# Altium PCB STM32F103RCT6 Dev B'd Rev 2.0.PcbDoc (part 2 of 2)
Units mm, origin at the board's own origin, x right, y up, seen from the top; angles counter-clockwise.
Board outline 120 x 80 mm, 4 copper layers (Top Copper, Signal Layer 1, Signal Layer 2, Bottom Copper), stack 1.57 mm thick; 133 components, 125 nets, 536 pads, 517 vias.
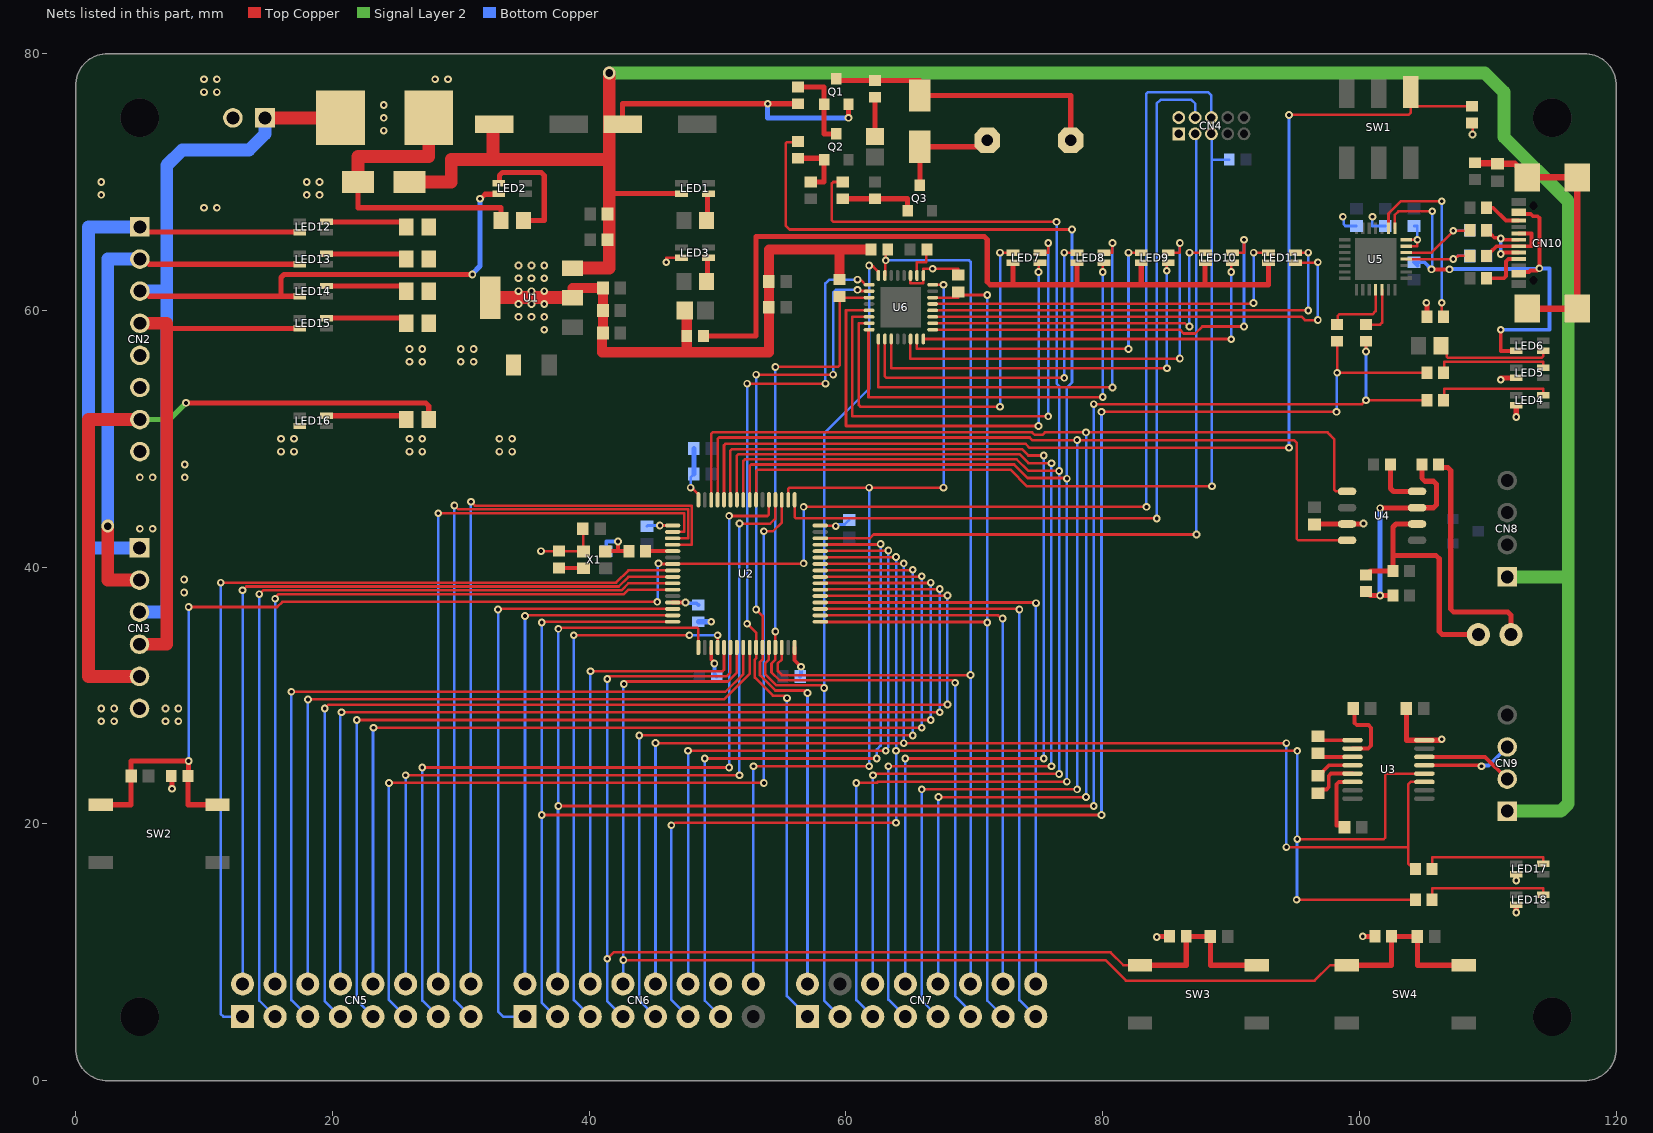
[diagram p4: the nets of this part, all layers, seen from the top]

## Via types
v1: diameter 0.6, hole 0.3, Top Copper to Bottom Copper, tented both sides, 497 vias
v2: diameter 0.5, hole 0.2, Top Copper to Bottom Copper, 18 vias
v3: diameter 1, hole 0.6, Top Copper to Bottom Copper, tented both sides, 2 vias

## Nets (pads, with @x,y where several pads share a name; then routed paths per layer and width w, separated by ;. In a path a pad name is that pad's centre, name@x,y a point inside that pad or via, vN(x,y) a via of type N, cw(c..) or ccw(c..) an arc to the next point about the centre after c; other vN are vias at no path point) (continued)
DP3.3VS: C3.2 C4.2 C6.2 C7.2 C8.2 C9.2 C10.2 C11.2 C12.2 C19.2 C22.2 C24.1 C27.2 C28.2 C30.1 C31.2 C32.2 C33.2 CN4.1 CN4.2 CN6.14 LED3.4 LED4.4 LED5.4 LED17.4 LED18.4 R6.2 R7.2 R8.2 R9.2 R14.2 R15.2 R24.1 R35.1 R37.1 R38.1 R39.1 U1.2 U1.4 U2.1 U2.19 U2.32 U2.48 U2.64 U3.16 U4.3 U5.6 U5.7 U6.25 U6.27 X1.4 | length 101.5
  Top Copper w0.2: v1(36.25,41.25) R6.2@37.653,41.25 39.525,41.25 X1.4@39.55,41.225 39.55,42.95 C12.2@39.5,43 ; v1(45.5,43.25) U2.1@46.5,43.25 ; v1(46,63.75) 46,64.1 LED3.4@47.2,64.1 ; v1(47.9,46.2) 47.973,46.2 48.5,45.673 U2.64@48.5,45.25 ; U2.48@58,43.25 58.019,43.231 59.169,43.231 v1(59.2,43.2) ; U6.27@65.025,62.725 65,62.725 65,62.1 66,62.1 66,62.725 U6.25@66.025,62.725 66.025,63.25 v1(66.75,63.25) 68.75,63.25 R37.1@68.75,62.75 ; U5.6@103.65,65 104.5,65 v1(104.5,65.5) U5.7@103.65,65.5 ; R9.2@108.75,74.6 108.8,74.6 v1(108.8,73.7)
  Top Copper w0.3: U2.19@49.5,33.75 49.5,32.814 49.75,32.564 v1(49.75,32.5) ; U2.32@56,33.75 56,32.75 v1(56.5,32.25) ; C22.2@96.5,43.325 C22.2@96.5,43.365
  Top Copper w0.4: R7.2@7.45,23.75 7.5,23.75 v1(7.5,22.75) ; v1(84.2,11.2) 84.225,11.225 85.175,11.225 R14.2@85.2,11.25 ; C22.2@96.5,43.365 U4.3@99.025,43.365 100.3,43.365 v1(100.3,43.4) ; v1(100.248,11.25) R15.2@101.2,11.25 ; C19.2@103.65,29 103.65,26.525 U3.16@105.05,26.525 106.4,26.525 v1(106.4,26.6) ; v1(105.2,60.6) 105.25,60.6 R24.1@105.25,59.5 ; v1(111,54.6) 111,54.75 LED5.4@112.2,54.75 ; v1(112.2,13.1) LED18.4@112.2,13.7 ; v1(112.2,15.6) LED17.4@112.2,16.1 ; v1(112.2,51.7) LED4.4@112.2,52.6
  Top Copper w0.8: U1.2@38.7,61 38.7,61.75 38.75,61.75 C3.2@41.075,61.75 C4.2@41.075,60 C31.2@41.075,58.25 41,58.25 41,56.75 47.6,56.75 ; C30.1@47.45,60 47.6,60 R35.1@47.6,58 47.6,56.75 ; 47.75,56.75 47.6,56.75 ; R38.1@59.5,62.4 59.5,64.75 ; R39.1@61.95,64.75 59.5,64.75 ; 47.6,56.75 54,56.75 C32.2@54,60.25 C33.2@54,62.25 54,64.75 59.5,64.75
  Top Copper w1: U1.4@32.3,61 U1.2@38.7,61
  Bottom Copper w0.2: C8.2@44.5,43.175 44.575,43.25 v1(45.5,43.25) ; v1(47.9,46.2) 47.9,47 C7.2@48.15,47.25 ; v1(59.2,43.2) 59.308,43.2 59.433,43.325 59.9,43.325 C11.2@60.25,43.675 ; v1(98.7,67.3) 98.775,67.225 98.775,66.7 98.9,66.575 C28.2@99.75,66.575 ; v1(101,67.3) 101,66.575 C27.2@102,66.575 ; C24.1@104.25,66.575 104.5,66.575 v1(104.5,65.5)
  Bottom Copper w0.3: v1(49.75,32.5) 49.75,31.675 C9.2@49.925,31.5 ; C10.2@56.425,31.5 56.5,31.575 v1(56.5,32.25)
  Bottom Copper w0.4: C7.2@48.15,47.25 C6.2@48.15,49.25 ; R8.2@48.5,35.75 v1(49.5,35.75)
  other v1: 36.5,58.5 34.5,59.5 35.5,59.5 36.5,59.5 34.5,60.5 35.5,60.5 36.5,60.5 34.5,61.5 35.5,61.5 36.5,61.5 34.5,62.5 35.5,62.5 36.5,62.5 34.5,63.5 35.5,63.5 36.5,63.5
DP5VS: C1.2 C2.2 CN8.1 CN9.1 D1.2 EC1.1 EC2.1 LED1.4 Q1.2 R11.1 U1.3 | length 205.4
  Top Copper w0.4: 41.554,69 41.654,69.1 LED1.4@47.2,69.1 ; EC2.1@42.6,74.5 42.6,76.1 v1(53.9,76.1) R11.1@56.25,76.1 ; v1(60.2,75) Q1.2@60.2,76.043
  Top Copper w0.8: C2.2@41.425,65.5 C2.2@41.554,65.5 ; C1.2@41.425,67.5 41.554,67.5 C1.2@41.554,67.525
  Top Copper w1: D1.2@26,70 29.25,70 29.25,71.75 32.5,71.75 ; EC1.1@32.6,74.5 32.5,74.5 32.5,71.75 ; U1.3@38.7,63.3 41.554,63.3 41.554,65.5 C1.2@41.554,67.5 ; C1.2@41.554,67.525 41.554,69 41.554,71.75 ; v3(41.559,78.496) 41.554,78.496 41.554,71.75 ; 32.5,71.75 41.554,71.75
  Signal Layer 2 w1: v3(41.559,78.496) 109.754,78.496 111.25,77 111.25,73.5 116.25,68.5 116.25,39.25 ; CN9.1@111.5,21 115.664,21 116.25,21.586 116.25,39.25 ; CN8.1@111.5,39.25 116.25,39.25
  Bottom Copper w0.4: v1(53.9,76.1) 53.9,75 v1(60.2,75)
EXT_MCU_CLKSRC: R5.2 U2.5 | length 2.1
  Top Copper w0.3: R5.2@44.4,41.25 U2.5@46.5,41.25
EXT_N12VS: CN2.7 CN3.5 R44.1 | length 52.2
  Top Copper w0.4: v1(8.6,52.8) 27.266,52.8 27.5,52.566 R44.1@27.5,51.5
  Top Copper w1: CN3.5@4.975,31.5 1,31.5 1,51.5 CN2.7@5,51.5
  Signal Layer 2 w0.4: CN2.7@5,51.5 7.3,51.5 v1(8.6,52.8)
EXT_P3.3VS: CN2.4 CN3.4 LED15.4 | length 39.7
  Top Copper w0.4: 7.1,59 7.5,58.6 LED15.4@17.45,58.6
  Top Copper w1: CN3.4@4.975,34 7.1,34 7.1,59 CN2.4@5,59
EXT_P5VS: CN1.1 CN2.3 CN3.3 FH1.1 LED2.4 LED14.4 | length 91.7
  Top Copper w0.4: CN2.3@5,61.5 5.304,61.5 5.704,61.1 16,61.1 ; LED14.4@17.45,61.1 16,61.1 ; v1(30.9,62.8) 16.234,62.8 16,62.566 16,61.1 ; v1(31.5,68.7) 31.554,68.7 31.904,69.05 32.9,69.05 LED2.4@32.95,69.1
  Top Copper w1: CN1.1@14.75,75 FH1.1@20.634,75
  Top Copper w1.8: FH1.1@20.634,75 FH1.1@20.642,75.008
  Bottom Copper w0.4: v1(30.9,62.8) 30.9,62.854 31.5,63.454 v1(31.5,68.7)
  Bottom Copper w1: CN3.3@4.975,36.5 7.1,36.5 7.1,61.5 ; CN2.3@5,61.5 7.1,61.5 ; CN1.1@14.75,75 14.75,73.75 13.5,72.5 8.3,72.5 7.1,71.3 7.1,61.5
EXT_P12VS: CN2.2 CN3.2 LED13.4 | length 42.6
  Top Copper w0.4: CN2.2@5,64 5.304,64 5.704,63.6 LED13.4@17.45,63.6
  Top Copper w1: v3(2.5,43.2) 2.5,39 CN3.2@4.975,39
  Bottom Copper w1: v3(2.5,43.2) 2.5,64 CN2.2@5,64
EXT_P24VS: CN2.1 CN3.1 LED12.4 | length 45.6
  Top Copper w0.4: CN2.1@5,66.5 5.4,66.1 LED12.4@17.45,66.1
  Bottom Copper w1: CN3.1@4.975,41.5 1,41.5 1,66.5 CN2.1@5,66.5
GNDPWR: CN1.2 CN2.5 CN2.6 CN2.8 CN3.6 LED16.4 R4.1 R40.1 R41.1 R42.1 R43.1
  other v1: 2,28 3,28 7,28 8,28 2,29 3,29 7,29 8,29 8.453,38.035 8.453,39.035 5,43 6,43 5,47 6,47 8.5,47 8.5,48 16,49 17,49 26,49 27,49 33,49 33,49 34,49 16,50 17,50 26,50 27,50 33,50 34,50 26,56 27,56 30,56 31,56 26,57 27,57 30,57 31,57 10,68 11,68 2,69 18,69 19,69 2,70 18,70 19,70 24,74 24,75 24,76 10,77 11,77 10,78 11,78 28,78 29,78
LED_DRV_OUT1: LED7.3 U6.5 | length 38.6
  Top Copper w0.2: U6.5@61.8,60 60,60 60,51 v1(75,51) ; v1(75,63) 75,63.7 LED7.3@75.1,63.7
  Bottom Copper w0.2: v1(75,51) v1(75,63)
LED_DRV_OUT2: LED7.2 U6.6 | length 39.2
  Top Copper w0.2: U6.6@61.8,59.5 60.5,59.5 60.5,51.75 v1(75.75,51.75) ; LED7.2@75.1,64.5 75.75,64.5 v1(75.75,65.25)
  Bottom Copper w0.2: v1(75.75,51.75) v1(75.75,65.25)
LED_DRV_OUT3: LED7.1 U6.7 | length 31.2
  Top Copper w0.2: U6.7@61.8,59 61,59 61,52.617 61.117,52.5 v1(72,52.5) ; v1(72,64.5) LED7.1@73,64.5
  Bottom Copper w0.2: v1(72,52.5) v1(72,64.5)
LED_DRV_OUT4: LED8.3 U6.8 | length 34.1
  Top Copper w0.2: U6.8@61.8,58.5 61.75,58.5 61.75,53.25 v1(80,53.25) ; v1(80,63) 80,63.7 LED8.3@80.1,63.7
  Bottom Copper w0.2: v1(80,53.25) v1(80,63)
LED_DRV_OUT5: LED8.2 U6.9 | length 34.6
  Top Copper w0.2: U6.9@62.525,57.775 62.525,54 v1(80.75,54) ; LED8.2@80.1,64.5 80.75,64.5 v1(80.75,65.25)
  Bottom Copper w0.2: v1(80.75,54) v1(80.75,65.25)
LED_DRV_OUT6: LED8.1 U6.10 | length 27.7
  Top Copper w0.2: U6.10@63.025,57.775 63.025,54.867 63.142,54.75 v1(77,54.75) ; v1(77,64.5) LED8.1@78,64.5
  Bottom Copper w0.2: v1(77,54.75) v1(77,64.5)
LED_DRV_OUT7: LED9.3 U6.11 | length 32.1
  Top Copper w0.2: U6.11@63.525,57.775 63.525,55.5 v1(85,55.5) ; v1(84.983,63.095) 84.983,63.7 LED9.3@85.1,63.7
  Bottom Copper w0.2: v1(84.983,63.095) 84.983,55.5 v1(85,55.5)
LED_DRV_OUT8: LED9.2 U6.14 | length 33.2
  Top Copper w0.2: U6.14@65.025,57.775 65,57.775 65,56.25 v1(86,56.25) ; LED9.2@85.1,64.5 86,64.5 v1(86,65.25)
  Bottom Copper w0.2: v1(86,56.25) v1(86,65.25)
LED_DRV_OUT9: LED9.1 U6.15 | length 25.8
  Top Copper w0.2: U6.15@65.525,57.775 65.5,57.775 65.5,57 v1(82,57) ; v1(82,64.5) LED9.1@83,64.5
  Bottom Copper w0.2: v1(82,57) v1(82,64.5)
LED_DRV_OUT10: LED10.3 U6.16 | length 30.1
  Top Copper w0.2: U6.16@66.025,57.775 90,57.775 v1(90,57.75) ; v1(90,63) 90,63.7 LED10.3@90.1,63.7
  Bottom Copper w0.2: v1(90,57.75) v1(90,63)
LED_DRV_OUT11: LED10.2 U6.17 | length 33.4
  Top Copper w0.2: U6.17@66.75,58.5 86,58.5 86.3,58.2 87.2,58.2 87.75,58.75 v1(91,58.75) ; LED10.2@90.1,64.5 91,64.5 v1(91,65.5) v1@90.923,65.423
  Bottom Copper w0.2: v1(91,58.75) v1(91,65.5)
LED_DRV_OUT12: LED10.1 U6.18 | length 27.1
  Top Copper w0.2: U6.18@66.75,59 86.392,59 86.642,58.75 v1(86.75,58.75) ; v1(86.75,64.5) LED10.1@88,64.5
  Bottom Copper w0.2: v1(86.75,58.75) v1(86.75,64.5)
LED_DRV_OUT13: LED11.3 U6.19 | length 36.4
  Top Copper w0.2: U6.19@66.75,59.5 95.5,59.5 95.75,59.25 v1(96.75,59.25) ; LED11.3@95,63.7 95.025,63.725 96.725,63.725 v1(96.75,63.75)
  Bottom Copper w0.2: v1(96.75,59.25) v1(96.75,63.75)
LED_DRV_OUT14: LED11.2 U6.20 | length 34.8
  Top Copper w0.2: U6.20@66.75,60 v1(96,60) ; LED11.2@95,64.5 v1(96,64.5)
  Bottom Copper w0.2: v1(96,60) v1(96,64.5)
LED_DRV_OUT15: LED11.1 U6.21 | length 30.1
  Top Copper w0.2: U6.21@66.75,60.5 66.765,60.515 91.682,60.515 v1(91.742,60.576) ; v1(91.75,64.5) LED11.1@92.9,64.5
  Bottom Copper w0.2: v1(91.742,60.576) 91.746,60.579 91.746,64.496 v1(91.75,64.5)
"MCU_ADC_IN0 (N/A)": CN6.1 U2.14 | length 47.2
  Top Copper w0.2: v1(32.9,36.7) 32.95,36.75 U2.14@46.5,36.75
  Bottom Copper w0.2: v1(32.9,36.7) 32.9,5.4 33.3,5 CN6.1@35,5
"MCU_ADC_IN1 (N/A)": CN6.2 U2.15 | length 40.2
  Top Copper w0.2: v1(35,36.2) 35.05,36.25 U2.15@46.5,36.25
  Bottom Copper w0.2: CN6.2@35,7.54 v1(35,36.2)
MCU_BOOT0: R9.1 SW1.1 U2.60 | length 90.2
  Top Copper w0.2: U2.60@50.5,45.25 50.5,49.483 50.617,49.6 74,49.6 74.3,49.3 v1(94.5,49.3) ; v1(94.507,75.227) 103.827,75.227 104,75.4 SW1.1@104,75.9 ; SW1.1@104,77 SW1.1@104,75.9 ; R9.1@108.75,75.9 SW1.1@104,75.9
  Bottom Copper w0.2: v1(94.5,49.3) 94.504,49.304 94.504,75.223 v1(94.507,75.227)
MCU_BUZZER1: CN7.5 R13.1 U2.56 | length 136
  Top Copper w0.2: U2.56@52.5,45.25 52.5,47.883 52.617,48 73.1,48 74.15,46.95 77.15,46.95 v1(77.2,46.9) ; R13.1@56.25,73.15 56.2,73.1 55.417,73.1 55.3,72.983 55.3,66.6 55.6,66.3 v1(77.6,66.3) ; v1(60.8,23.2) 62.4,23.2 62.5,23.3 v1(77.2,23.3)
  Bottom Copper w0.2: v1(60.8,23.2) 60.8,6.28 CN7.5@62.08,5 ; v1(77.2,23.3) v1(77.2,46.9) 77.2,54 77.6,54.4 v1(77.6,66.3)
MCU_BUZZER2: CN7.6 R17.1 U2.57 | length 123.3
  Top Copper w0.2: U2.57@52,45.25 52,48.283 52.117,48.4 73.3,48.4 74.2,47.5 v1(76.6,47.5) ; R17.1@59.75,70 59.017,70 58.9,69.883 58.9,67.017 59.017,66.9 v1(76.4,66.9) ; v1(62.1,23.8) 62.2,23.9 v1(76.6,23.9)
  Bottom Copper w0.2: CN7.6@62.08,7.54 62.09,7.55 62.09,23.79 v1(62.1,23.8) ; v1(76.4,66.9) 76.4,54.3 76.6,54.1 v1(76.6,47.5) v1(76.6,23.9)
MCU_CAN1_RX: CN7.9 U2.61 U4.4 | length 119
  Top Copper w0.2: U2.61@50,45.25 50,49.983 50.117,50.1 74.3,50.1 74.5,49.9 v1(78,49.9) 94.9,49.9 95.1,49.7 95.1,42.217 95.217,42.1 99.02,42.1 U4.4@99.025,42.095 ; v1(65.9,22.7) v1(78,22.7)
  Bottom Copper w0.2: v1(65.9,22.7) 65.9,6.26 CN7.9@67.16,5 ; v1(78,22.7) v1(78,49.9)
MCU_CAN1_TX: CN7.10 U2.62 U4.1 | length 113.6
  Top Copper w0.2: U2.62@49.5,45.25 49.5,50.383 49.617,50.5 74.5,50.5 74.7,50.3 75.3,50.3 75.5,50.5 v1(78.7,50.5) 97.5,50.5 97.7,50.3 98.043,49.957 98.043,46.031 98.16,45.913 99.017,45.913 U4.1@99.025,45.905 ; v1(67.2,22.1) v1(78.7,22.1)
  Bottom Copper w0.2: CN7.10@67.16,7.54 67.18,7.56 67.18,22.08 v1(67.2,22.1) ; v1(78.7,22.1) v1(78.7,50.5)
"MCU_DAC_OUT1 (N/A)": CN6.5 U2.20 | length 42.4
  Top Copper w0.2: v1(38.8,34.7) v1(47.8,34.7) ; U2.20@50,33.75 v1(50,34.7)
  Bottom Copper w0.2: v1(38.8,34.7) 38.8,6.28 CN6.5@40.08,5 ; v1(47.8,34.7) v1(50,34.7)
"MCU_DAC_OUT2 (N/A)": CN6.6 U2.21 | length 36.5
  Top Copper w0.2: v1(40.1,31.9) 50.383,31.9 50.5,32.017 U2.21@50.5,33.75
  Bottom Copper w0.2: CN6.6@40.08,7.54 40.09,7.55 40.09,31.89 v1(40.1,31.9)
"MCU_I2C1_SCL (N/A)": CN7.7 U2.58 | length 84.6
  Top Copper w0.2: U2.58@51.5,45.25 51.5,48.683 51.617,48.8 73.5,48.8 74.2,48.1 v1(76,48.1) ; v1(63.3,24.5) v1(76,24.5)
  Bottom Copper w0.2: v1(63.3,24.5) 63.3,6.32 CN7.7@64.62,5 ; v1(76,24.5) v1(76,48.1)
"MCU_I2C1_SDA (N/A)": CN7.8 U2.59 | length 80.4
  Top Copper w0.2: U2.59@51,45.25 51,49.083 51.117,49.2 73.7,49.2 74.2,48.7 v1(75.4,48.7) ; v1@64.618,25.1 v1(75.4,25.1)
  Bottom Copper w0.2: v1(64.618,25.104) 64.619,25.103 CN7.8@64.62,7.54 CN7.8@64.62,7.54 ; v1(75.4,25.1) v1(75.4,48.7)
MCU_LED_DRV_GSCLK: CN6.16 U2.50 U6.24 | length 77.3
  Top Copper w0.2: v1(52.8,24.5) v1(61.8,24.5) ; U2.50@55.5,45.25 55.5,46.083 55.617,46.2 v1(61.8,46.2) v1(67.6,46.2) ; U6.24@66.75,62 v1(67.6,62)
  Bottom Copper w0.2: CN6.16@52.78,7.54 52.79,7.55 52.79,24.49 v1(52.8,24.5) ; v1(61.8,24.5) v1(61.8,46.2) ; v1(67.6,46.2) v1(67.6,62)
MCU_LED_DRV_LAT: CN7.3 U2.28 U6.32 | length 68.9
  Top Copper w0.2: U2.28@54,33.75 54,32.8 53.7,32.5 53.7,31.7 54.6,30.8 58.1,30.8 v1(58.3,30.6) ; v1(61.8,63.5) 61.877,63.423 62.112,63.423 62.525,63.01 U6.32@62.525,62.725
  Bottom Copper w0.2: CN7.3@59.54,5 58.3,6.24 v1(58.3,30.6) 58.3,50.4 61.8,53.9 v1(61.8,63.5)
MCU_LED_DRV_MODE: CN7.11 R38.2 U2.29 U6.3 | length 77.9
  Top Copper w0.2: v1(54.5,35) U2.29@54.5,33.75 54.5,32.8 54.2,32.5 54.2,31.8 54.8,31.2 68.3,31.2 v1(68.5,31) ; v1(54.5,55.6) 59.383,55.6 59.5,55.717 R38.2@59.5,61 ; U6.3@61.8,61 R38.2@59.5,61 ; R38.2@59.5,61 R38.2@59.5,61.1 R38.2@59.5,61
  Bottom Copper w0.2: v1(54.5,35) v1(54.5,55.6) ; v1(68.5,31) 68.5,6.6 69.7,5.4 CN7.11@69.7,5
MCU_LED_DRV_OUT_nEN: CN7.12 R39.2 U2.30 U6.31 | length 82.3
  Top Copper w0.2: U2.30@55,33.75 55,32.8 54.683,32.483 54.683,32.317 54.7,32.3 54.7,31.9 55,31.6 v1(69.7,31.6) ; U6.31@63.025,62.725 63.04,62.74 63.04,63.84 v1(63.1,63.9) 63.1,64.675 63.025,64.75 R39.2@63.25,64.75
  Bottom Copper w0.2: v1(63.1,63.9) 69.583,63.9 69.7,63.783 v1(69.7,31.6) CN7.12@69.7,7.54
MCU_LED_DRV_SCLK: CN7.1 U2.26 U6.1 | length 69.4
  Top Copper w0.2: v1(52.3,35.6) 53,34.9 U2.26@53,33.75 53,32.9 52.9,32.8 52.9,31.4 54.3,30 55.2,30 v1(55.4,29.8) ; v1(52.3,54.3) v1(58.4,54.3) ; v1(60.9,62.4) 60.977,62.323 61.192,62.323 61.515,62 U6.1@61.8,62
  Bottom Copper w0.2: v1(52.3,35.6) v1(52.3,54.3) ; v1(55.4,29.8) 55.4,6.6 CN7.1@57,5 ; v1(58.4,54.3) 58.4,62.1 58.7,62.4 v1(60.9,62.4)
MCU_LED_DRV_SDI: CN7.2 U2.27 U6.2 | length 65.9
  Top Copper w0.2: v1(53,36.7) 53.5,36.2 53.5,32.8 53.3,32.6 53.3,31.6 54.5,30.4 56.8,30.4 v1(57,30.2) ; v1(53,55) v1(59,55) ; v1(60.9,61.6) 61.008,61.6 61.093,61.515 61.785,61.515 U6.2@61.8,61.5
  Bottom Copper w0.2: v1(53,36.7) v1(53,55) ; CN7.2@57,7.54 v1(57,30.2) ; v1(59,55) 59,61.383 59.217,61.6 v1(60.9,61.6)
MCU_LED_DRV_XERR: CN7.13 R37.2 U2.33 U6.22 | length 74.4
  Top Copper w0.2: U2.33@58,35.75 58.019,35.731 70.969,35.731 v1(71,35.7) ; U6.22@66.75,61 68.75,61 R37.2@68.75,61.225 ; R37.2@68.75,61.45 R37.2@68.75,61.225 ; v1(71,61.2) 68.775,61.2 R37.2@68.75,61.225
  Bottom Copper w0.2: v1(71,61.2) v1(71,35.7) 71,6.24 CN7.13@72.24,5
MCU_NRST: C13.2 CN4.6 R7.1 SW2.1 SW2.2 U2.7 | length 149.3
  Top Copper w0.2: v1(8.8,36.9) 15.7,36.9 16.1,37.3 v1(45.3,37.3) ; v1(45.4,40.3) 45.4,40.25 U2.7@46.5,40.25 46.519,40.269 56.669,40.269 v1(56.7,40.3) ; v1(56.7,44.7) v1(83.4,44.7)
  Top Copper w0.4: SW2.1@1.95,21.5 4.325,21.5 C13.2@4.325,23.75 4.325,24.9 v1(8.8,24.9) 8.8,23.75 R7.1@8.75,23.75 8.75,21.5 SW2.2@11.05,21.5
  Bottom Copper w0.2: v1(8.8,24.9) v1(8.8,36.9) ; v1(45.3,37.3) 45.35,37.35 45.35,40.25 v1(45.4,40.3) ; v1(56.7,40.3) v1(56.7,44.7) ; v1(83.4,44.7) 83.4,76.883 83.517,77 88.2,77 88.46,76.74 CN4.6@88.46,75.02
"MCU_RCC_MCO1 (N/A)": CN6.9 U2.41 | length 63.8
  Top Copper w0.2: v1(43.9,26.9) v1(65.2,26.9) ; U2.41@58,39.75 58.019,39.769 65.169,39.769 v1(65.2,39.8)
  Bottom Copper w0.2: v1(43.9,26.9) 43.9,6.26 CN6.9@45.16,5 ; v1(65.2,26.9) v1(65.2,39.8)
"MCU_SPI2_MISO (N/A)": CN7.15 U2.35 | length 47.8
  Top Copper w0.2: U2.35@58,36.75 v1@73.45,36.75 ; v1(73.5,36.7) v1@73.45,36.75 ; v1@73.5,36.746 73.496,36.75 v1@73.45,36.75
  Bottom Copper w0.2: v1(73.5,36.7) 73.5,6.28 CN7.15@74.78,5
"MCU_SPI2_MOSI (N/A)": CN7.16 U2.36 | length 46.5
  Top Copper w0.2: U2.36@58,37.25 v1@74.799,37.25
  Bottom Copper w0.2: CN7.16@74.78,7.54 74.79,7.55 74.79,37.19 v1(74.8,37.2)
"MCU_SPI2_SCK (N/A)": CN7.14 U2.34 | length 42.8
  Top Copper w0.2: U2.34@58,36.25 71.842,36.25 72.092,36 v1(72.2,36)
  Bottom Copper w0.2: v1(72.2,36) 72.22,35.98 72.22,7.56 CN7.14@72.24,7.54
MCU_SWD_SWCLK: CN4.4 U2.49 | length 66.2
  Top Copper w0.2: U2.49@56,45.25 56,43.917 56.117,43.8 v1(84.2,43.8)
  Bottom Copper w0.2: v1(84.2,43.8) 84.2,76.1 84.5,76.4 86.9,76.4 87.2,76.1 87.2,75.03 CN4.4@87.19,75.02
MCU_SWD_SWDIO: CN4.3 U2.46 | length 60.7
  Top Copper w0.2: U2.46@58,42.25 61.85,42.25 62.147,42.547 v1(87.298,42.548)
  Bottom Copper w0.2: CN4.3@87.19,73.75 87.277,73.663 87.277,42.569 v1(87.298,42.548)
MCU_SWD_TRACE_SWO: CN4.5 R10.1 U2.55 | length 67.2
  Top Copper w0.2: U2.55@53,45.25 53,47.5 53.1,47.6 72.8,47.6 74.1,46.3 v1(88.5,46.3)
  Bottom Copper w0.2: CN4.5@88.46,73.75 88.48,73.73 88.48,71.7 ; v1(88.5,46.3) 88.48,46.32 88.48,71.7 ; R10.1@89.85,71.75 88.53,71.75 88.48,71.7
MCU_TACT_SW1: C15.2 CN6.7 R14.1 SW3.1 SW3.2 U2.22 | length 94.3
  Top Copper w0.2: v1(41.4,9.5) 41.9,10 80.6,10 81.6,9 SW3.1@82.9,9 ; v1(41.4,31.3) 41.4,31.383 41.517,31.5 50.7,31.5 51,31.8 U2.22@51,33.75
  Top Copper w0.4: SW3.1@82.9,9 86.5,9 R14.1@86.5,11.25 C15.2@88.375,11.25 88.375,9 SW3.2@92,9
  Bottom Copper w0.2: v1(41.4,31.3) v1(41.4,9.5) 41.4,6.22 CN6.7@42.62,5
MCU_TACT_SW2: C16.2 CN6.8 R15.1 SW4.1 SW4.2 U2.23 | length 105.6
  Top Copper w0.2: v1(42.66,9.4) 44.1,9.4 80.2,9.4 81.8,7.8 96.5,7.8 97.7,9 SW4.1@99,9 ; v1(42.7,30.9) 42.9,31.1 50.8,31.1 51.5,31.8 U2.23@51.5,33.75
  Top Copper w0.4: SW4.1@99,9 102.5,9 R15.1@102.5,11.25 C16.2@104.5,11.25 104.5,9 SW4.2@108.1,9
  Bottom Copper w0.2: CN6.8@42.62,7.54 42.66,7.58 v1(42.66,9.4) 42.66,30.86 v1(42.7,30.9)
MCU_USART1_RX: CN6.11 R46.1 U2.43 U3.12 | length 127.1
  Top Copper w0.2: v1(46.4,19.9) 46.5,19.9 46.7,20.1 v1(63.9,20.1) ; U2.43@58,40.75 58.019,40.769 63.869,40.769 v1(63.9,40.8) ; v1(63.9,25.7) 63.902,25.698 95.139,25.698 v1(95.141,25.697) ; v1(95.1,14.1) 95.7,14.1 ; v1(95.147,18.82) 101.883,18.82 102,18.937 102,23.808 102.117,23.925 U3.12@105.05,23.925 ; v1@95.265,14.1 95.7,14.1 ; R46.1@104.35,14.1 95.7,14.1
  Bottom Copper w0.2: v1(46.4,19.9) 46.4,6.3 CN6.11@47.7,5 ; v1(63.9,20.1) v1(63.9,25.7) v1(63.9,40.8) ; v1(95.1,14.1) 95.124,14.124 95.124,18.796 v1(95.147,18.82) 95.144,18.823 95.144,25.693 v1(95.141,25.697)
MCU_USART1_TX: CN6.10 R45.1 U2.42 U3.11 | length 114.3
  Top Copper w0.2: v1@45.162,26.3 v1(64.5,26.3) v1(94.3,26.3) ; U2.42@58,40.25 58.019,40.269 64.469,40.269 v1(64.5,40.3) ; v1(94.3,18.2) 103.8,18.2 ; R45.1@104.35,16.5 104.05,16.8 103.9,16.8 103.8,16.9 103.8,18.2 ; U3.11@105.05,23.275 103.975,23.275 103.8,23.1 103.8,18.2
  Bottom Copper w0.2: CN6.10@45.16,7.54 CN6.10@45.16,7.54 v1(45.162,26.304) v1(45.162,26.304) ; v1(64.5,26.3) v1(64.5,40.3) ; v1(94.3,18.2) v1(94.3,26.3)
MCU_USART2_RX: CN6.4 R25.1 R27.2 U2.17 | length 143.8
  Top Copper w0.2: v1(37.6,21.4) v1(79.3,21.4) ; v1(37.6,35.2) 37.7,35.3 48.383,35.3 48.5,35.183 U2.17@48.5,33.75 ; v1(79.3,52.7) 100.2,52.7 v1(100.5,53) R25.1@105.25,53 ; v1(100.5,56.8) R27.2@100.5,57.6
  Bottom Copper w0.2: CN6.4@37.54,7.54 37.57,7.57 37.57,21.37 v1(37.6,21.4) v1(37.6,35.2) ; v1(79.3,21.4) v1(79.3,52.7) ; v1(100.5,53) v1(100.5,56.8)
MCU_USART2_TX: CN6.3 R26.1 R28.2 U2.16 | length 147.3
  Top Copper w0.2: v1(36.3,20.7) v1(79.9,20.7) ; v1@36.3,35.75 U2.16@46.5,35.75 ; v1(79.9,52.1) v1(98.2,52.1) ; R28.2@98.25,57.6 v1(98.25,55.15) R26.1@105.25,55.15
  Bottom Copper w0.2: v1(36.3,35.7) v1(36.3,20.7) 36.3,6.1 37.4,5 CN6.3@37.54,5 ; v1(79.9,20.7) v1(79.9,52.1) ; v1(98.2,52.1) 98.225,52.125 98.225,55.125 v1(98.25,55.15)
"MCU_USB_DM (N/A)": CN6.12 U2.44 | length 54.6
  Top Copper w0.2: v1(47.7,25.7) v1(63.1,25.7) ; U2.44@58,41.25 58.019,41.269 63.269,41.269 v1(63.3,41.3)
  Bottom Copper w0.2: CN6.12@47.7,7.54 v1(47.7,25.7) ; v1(63.1,25.7) 63.1,25.808 63.3,26.008 v1(63.3,41.3)
"MCU_USB_DP (N/A)": CN6.13 U2.45 | length 55.6
  Top Copper w0.2: v1(49,25.1) v1(62.4,25.1) ; U2.45@58,41.75 58.019,41.769 62.669,41.769 v1(62.7,41.8)
  Bottom Copper w0.2: v1(49,25.1) 49,6.24 CN6.13@50.24,5 ; v1(62.4,25.1) 62.4,25.8 62.7,26.1 v1(62.7,41.8)
NetBZ1_1: BZ1.1 D2.2 Q1.3 R12.2 | length 23
  Top Copper w0.4: Q1.3@59.25,78.043 59.25,77.9 R12.2@62.25,77.9 65.75,77.9 D2.2@65.75,76.75 77.5,76.75 BZ1.1@77.5,73.25
NetBZ1_2: BZ1.2 D2.1 Q3.3 | length 8.7
  Top Copper w0.4: Q3.3@65.75,69.75 D2.1@65.75,72.75 71,72.75 BZ1.2@71,73.25
NetC5_2: C5.2 R5.1 X1.3 | length 4.3
  Top Copper w0.3: X1.3@41.25,41.225 41.275,41.25 42.25,41.25 ; v1(42.25,42) 42.25,41.25 ; R5.1@43.1,41.25 42.25,41.25
  Bottom Copper w0.3: C5.2@41.325,41.25 41.325,42 v1(42.25,42)
NetC14_2: C14.2 R12.1 | length 3.1
  Top Copper w0.4: C14.2@62.25,73.542 R12.1@62.25,76.6
NetC17_1: C17.1 U3.2 | length 5.6
  Top Copper w0.3: U3.2@99.45,25.875 100.675,25.875 100.9,26.1 100.9,27.5 100.7,27.7 99.776,27.7 99.6,27.876 99.6,28.9 C17.1@99.5,29
NetC18_1: C18.1 U3.3 | length 2.8
  Top Copper w0.3: C18.1@96.75,25.5 97.025,25.225 U3.3@99.45,25.225
NetC18_2: C18.2 U3.1 | length 2.8
  Top Copper w0.3: C18.2@96.75,26.85 96.8,26.85 97.125,26.525 U3.1@99.45,26.525
NetC20_1: C20.1 U3.6 | length 5.2
  Top Copper w0.3: C20.1@98.825,19.75 98.699,19.876 98.2,19.876 98.2,23.099 98.376,23.275 U3.6@99.45,23.275
NetC21_1: C21.1 U3.5 | length 3.8
  Top Copper w0.3: C21.1@96.75,22.4 97.05,22.7 97.424,22.7 97.6,22.876 97.6,23.749 97.776,23.925 U3.5@99.45,23.925
NetC21_2: C21.2 U3.4 | length 3
  Top Copper w0.3: C21.2@96.75,23.75 96.8,23.75 97.625,24.575 U3.4@99.45,24.575
NetC29_1: C29.1 CN10.S1 CN10.S2 CN10.S3 CN10.S4 R33.1 | length 22.6
  Top Copper w0.5: R33.1@109,71.5 109.038,71.462 110.713,71.462 C29.1@110.75,71.425 112.075,71.425 113.05,70.45 CN10.S4@113.05,70.36 CN10.S3@116.95,70.36 CN10.S2@116.95,60.14 CN10.S1@113.05,60.14
NetCN10_A5: CN10.A5 R32.2 | length 3.8
  Top Copper w0.3: R32.2@109.9,62.5 111.224,62.5 111.4,62.676 111.4,63.824 111.576,64 CN10.A5@112.4,64
NetCN10_A6: CN10.A6 CN10.B6 R29.1 | length 5.8
  Top Copper w0.3: R29.1@109.9,64.25 109.9,64.3 110.175,64.575 110.225,64.575 110.65,65 CN10.A6@112.4,65 113.4,65 113.4,66 CN10.B6@112.4,66
NetCN10_A7: CN10.A7 CN10.B7 R30.1 | length 5.6
  Top Copper w0.3: R30.1@109.9,66.25 109.9,66.2 110.175,65.925 110.225,65.925 110.493,65.657 110.943,65.657 v1(111,65.6) 111,65.5 CN10.A7@112.4,65.5 ; v1(111,64.4) 111,64.5 CN10.B7@112.4,64.5
  Bottom Copper w0.3: v1(111,64.4) v1(111,65.6)
NetCN10_B5: CN10.B5 R31.2 | length 2.9
  Top Copper w0.3: R31.2@109.9,68 110.4,68 111.4,67 CN10.B5@112.4,67
NetD1_1: D1.1 FH1.2 R1.2 | length 24.6
  Top Copper w0.4: D1.1@22,70 22,68 33.125,68 R1.2@33.125,67
  Top Copper w1: D1.1@22,70 22,72 27.5,72 FH1.2@27.5,75.008
NetJP1_1: JP1.1 R23.1 | length 18.3
  Top Copper w0.4: R23.1@106.15,48 106.15,47.992 106.375,47.767 106.866,47.767 107.1,47.533 107.1,36.734 107.334,36.5 111.556,36.5 111.79,36.266 JP1.1@111.79,34.75
NetJP1_2: JP1.2 R20.1 R21.1 U4.6 | length 20.2
  Top Copper w0.4: R20.1@100.5,39.4 100.55,39.4 100.85,39.7 R21.1@102.6,39.7 102.6,40.9 ; U4.6@104.475,43.365 102.834,43.365 102.6,43.131 102.6,40.9 ; JP1.2@109.25,34.75 106.434,34.75 106.2,34.984 106.2,40.666 105.966,40.9 102.6,40.9
NetLED1_3: LED1.3 R2.2 | length 2.2
  Top Copper w0.4: R2.2@49.125,67 49.212,67.088 49.212,69.05 49.262,69.1 LED1.3@49.3,69.1
NetLED2_1: LED2.1 R1.1 | length 9.5
  Top Copper w0.4: LED2.1@32.95,69.9 33,69.95 33,70.516 33.234,70.75 36.266,70.75 36.5,70.516 36.5,67 R1.1@34.875,67
NetLED3_3: LED3.3 R3.2 | length 1.9
  Top Copper w0.4: R3.2@49.125,62.25 49.212,62.338 49.212,64.05 49.262,64.1 LED3.3@49.3,64.1
NetLED4_2: LED4.2 R25.2 | length 9.1
  Top Copper w0.2: R25.2@106.55,53 106.6,53 106.6,53.9 114.3,53.9 LED4.2@114.3,53.4
NetLED5_2: LED5.2 R26.2 | length 9
  Top Copper w0.2: R26.2@106.55,55.15 106.6,55.15 106.6,56 114.3,56 LED5.2@114.3,55.55
NetLED6_3: LED6.3 R34.2 | length 9.1
  Top Copper w0.2: R34.2@106.345,57.25 106.786,56.809 106.786,56.417 106.904,56.3 114.183,56.3 114.3,56.417 LED6.3@114.3,56.85
NetLED7_4: LED7.4 LED8.4 LED9.4 LED10.4 LED11.4 R35.2 | length 63.8
  Top Copper w0.2: LED10.4@87.95,63.7 LED10.4@88,63.7
  Top Copper w0.4: R35.2@48.9,58 53,58 53,65.75 70.766,65.75 71,65.516 71,62.234 71.234,62 73,62 ; LED7.4@73,63.7 73,62 ; LED8.4@78,63.7 78,62 ; LED9.4@83,63.7 83,62 ; LED10.4@87.95,63.7 87.95,62 ; LED11.4@92.9,63.7 92.9,62 87.95,62 ; 73,62 78,62 ; 78,62 83,62 ; 83,62 87.95,62
NetLED12_2: LED12.2 R40.2 | length 6.4
  Top Copper w0.4: LED12.2@19.55,66.9 25.375,66.9 25.75,66.525 R40.2@25.75,66.5
NetLED13_2: LED13.2 R41.2 | length 6.4
  Top Copper w0.4: LED13.2@19.55,64.4 25.375,64.4 25.75,64.025 R41.2@25.75,64
NetLED14_2: LED14.2 R42.2 | length 6.4
  Top Copper w0.4: LED14.2@19.55,61.9 25.375,61.9 25.75,61.525 R42.2@25.75,61.5
NetLED15_2: LED15.2 R43.2 | length 6.4
  Top Copper w0.4: LED15.2@19.55,59.4 25.375,59.4 25.75,59.025 R43.2@25.75,59
NetLED16_2: LED16.2 R44.2 | length 6.3
  Top Copper w0.4: LED16.2@19.55,51.8 25.45,51.8 R44.2@25.75,51.5
NetLED17_2: LED17.2 R45.2 | length 10
  Top Copper w0.2: R45.2@105.65,16.5 105.65,17.4 114.3,17.4 LED17.2@114.3,16.9
NetLED18_2: LED18.2 R46.2 | length 10
  Top Copper w0.2: R46.2@105.65,14.1 105.65,15 114.3,15 LED18.2@114.3,14.5
NetQ1_1: Q1.1 Q2.3 R11.2 | length 6.6
  Top Copper w0.4: R11.2@56.25,77.4 58.3,77.4 Q1.1@58.3,76.043 58.3,73.75 Q2.3@59.25,73.75
NetQ2_1: Q2.1 R13.2 R16.2 | length 5
  Top Copper w0.4: R13.2@56.25,71.85 58.3,71.85 Q2.1@58.3,71.75 58.3,70 R16.2@57.25,70
NetQ3_1: Q3.1 R17.2 R18.2 | length 6
  Top Copper w0.4: R17.2@59.75,68.7 R18.2@62.25,68.7 64.8,68.7 Q3.1@64.8,67.75
NetR6_1: R6.1 X1.1 | length 1.9
  Top Copper w0.3: R6.1@37.653,39.95 39.525,39.95 X1.1@39.55,39.925
NetR8_1: R8.1 U2.13 | length 2.1
  Top Copper w0.3: U2.13@46.5,37.25 v1(47.5,37.25)
  Bottom Copper w0.3: v1(47.5,37.25) 47.557,37.193 48.357,37.193 R8.1@48.5,37.05
NetR19_1: R19.1 R20.2 R23.2 U4.7 | length 17.7
  Top Copper w0.4: R20.2@100.5,38.1 100.55,38.1 100.85,37.8 v1(101.599,37.8) ; v1(101.6,44.6) 104.475,44.6 U4.7@104.475,44.635 105.766,44.635 106,44.869 106,46.466 105.766,46.7 105.084,46.7 104.85,46.934 R23.2@104.85,48 ; v1@101.725,37.8 v1(101.599,37.8) ; R19.1@102.6,37.8 v1(101.599,37.8)
  Bottom Copper w0.4: v1(101.599,37.8) v1(101.6,44.6)
NetR22_2: R22.2 U4.8 | length 4
  Top Copper w0.4: R22.2@102.4,48 102.4,46.139 102.634,45.905 U4.8@104.475,45.905
NetR24_2: R24.2 U5.9 | length 14.8
  Top Copper w0.2: U5.9@102.25,66.4 102.25,67.55 103.2,68.5 v1(106.4,68.5) ; v1(106.4,60.6) 106.4,59.65 R24.2@106.55,59.5
  Bottom Copper w0.2: v1(106.4,60.6) v1(106.4,68.5)
NetR27_1: R27.1 U5.26 | length 3.9
  Top Copper w0.2: R27.1@100.5,58.9 101.6,58.9 101.75,59.05 U5.26@101.75,61.6
NetR28_1: R28.1 U5.25 | length 5.5
  Top Copper w0.2: R28.1@98.25,58.9 98.3,58.95 98.3,59.583 98.417,59.7 101,59.7 101.25,59.95 U5.25@101.25,61.6
NetR36_2: R36.2 U6.26 | length 2.8
  Top Copper w0.2: U6.26@65.525,62.725 65.525,63.75 66.25,63.75 66.25,64.75 R36.2@66.3,64.75
PC0: CN5.1 U2.8 | length 71
  Top Copper w0.2: v1(11.3,38.8) 42.1,38.8 43.05,39.75 U2.8@46.5,39.75
  Bottom Copper w0.2: v1(11.3,38.8) 11.3,5.2 11.5,5 CN5.1@13,5
PC1: CN5.2 U2.9 | length 64.6
  Top Copper w0.2: v1(13,38.2) 13.3,38.5 42.3,38.5 43.05,39.25 U2.9@46.5,39.25
  Bottom Copper w0.2: CN5.2@13,7.54 v1(13,38.2)
PC2: CN5.3 U2.10 | length 66
  Top Copper w0.2: v1(14.3,37.9) 14.6,38.2 42.5,38.2 43.05,38.75 U2.10@46.5,38.75
  Bottom Copper w0.2: v1(14.3,37.9) 14.3,6.24 CN5.3@15.54,5
PC3: CN5.4 U2.11 | length 61.3
  Top Copper w0.2: v1(15.54,37.54) 15.54,37.64 15.8,37.9 42.7,37.9 43.05,38.25 U2.11@46.5,38.25
  Bottom Copper w0.2: CN5.4@15.54,7.54 v1(15.54,37.54)
PC4: CN5.5 U2.24 | length 63.7
  Top Copper w0.2: v1(16.8,30.3) 50.6,30.3 52,31.7 U2.24@52,33.75
  Bottom Copper w0.2: v1(16.8,30.3) 16.8,6.28 CN5.5@18.08,5
PC5: CN5.6 U2.25 | length 59.4
  Top Copper w0.2: v1(18.1,29.7) 50.5,29.7 52.5,31.7 U2.25@52.5,33.75
  Bottom Copper w0.2: CN5.6@18.08,7.54 18.09,7.55 18.09,29.69 v1(18.1,29.7)
PC6: CN5.7 U2.37 | length 91.8
  Top Copper w0.2: v1(19.4,29) 19.673,29.273 59.473,29.273 67.873,29.273 v1(67.9,29.3) ; U2.37@58,37.75 58.019,37.769 67.869,37.769 v1(67.9,37.8)
  Bottom Copper w0.2: v1@19.4,29.2 v1(19.4,29) 19.4,6.22 CN5.7@20.62,5 ; v1(67.9,29.3) v1(67.9,37.8)
PC7: CN5.8 U2.38 | length 86.7
  Top Copper w0.2: v1(20.7,28.7) v1(67.3,28.7) ; U2.38@58,38.25 58.019,38.269 67.269,38.269 v1(67.3,38.3)
  Bottom Copper w0.2: CN5.8@20.62,7.54 20.62,28.512 20.7,28.592 v1(20.7,28.7) ; v1(67.3,28.7) v1(67.3,38.3)
PC8: CN5.9 U2.39 | length 87.6
  Top Copper w0.2: v1(21.9,28.1) v1(66.6,28.1) ; U2.39@58,38.75 58.019,38.769 66.569,38.769 v1(66.6,38.8)
  Bottom Copper w0.2: v1(21.9,28.1) 21.9,6.26 CN5.9@23.16,5 ; v1(66.6,28.1) v1(66.6,38.8)
PC9: CN5.10 U2.40 | length 82.4
  Top Copper w0.2: v1(23.2,27.5) v1(65.9,27.5) ; U2.40@58,39.25 58.019,39.269 65.869,39.269 v1(65.9,39.3)
  Bottom Copper w0.2: CN5.10@23.16,7.54 23.16,27.46 v1(23.2,27.5) ; v1(65.9,27.5) v1(65.9,39.3)
PC10: CN5.11 U2.51 | length 71
  Top Copper w0.2: v1(24.4,23.2) v1(53.6,23.2) ; v1(53.6,42.8) 54.3,42.8 55,43.5 U2.51@55,45.25
  Bottom Copper w0.2: v1(24.4,23.2) 24.4,6.3 CN5.11@25.7,5 ; v1(53.6,23.2) v1(53.6,42.8)
PC11: CN5.12 U2.52 | length 66.3
  Top Copper w0.2: v1(25.7,23.8) v1(51.7,23.8) ; v1(51.7,43.4) 54.1,43.4 54.5,43.8 U2.52@54.5,45.25
  Bottom Copper w0.2: CN5.12@25.7,7.54 v1(25.7,23.8) ; v1(51.7,23.8) v1(51.7,43.4)
PC12: CN5.13 U2.53 | length 67.7
  Top Copper w0.2: v1(27,24.4) v1(50.9,24.4) ; v1(50.9,44) 50.914,43.986 53.883,43.986 54,44.103 U2.53@54,45.25
  Bottom Copper w0.2: v1(27,24.4) 27,6.24 CN5.13@28.24,5 ; v1(50.9,24.4) v1(50.9,44)
PC13: CN5.14 U2.2 | length 58.2
  Top Copper w0.2: v1(28.24,44.2) 47.4,44.2 47.4,42.75 U2.2@46.5,42.75
  Bottom Copper w0.2: CN5.14@28.24,7.54 v1(28.24,44.2)
PC14: CN5.15 U2.3 | length 62.1
  Top Copper w0.2: v1(29.5,44.8) 29.8,44.5 30.3,44.5 47.7,44.5 47.7,42.25 U2.3@46.5,42.25
  Bottom Copper w0.2: v1(29.5,44.8) 29.5,6.28 CN5.15@30.78,5
PC15: CN5.16 U2.4 | length 59.5
  Top Copper w0.2: v1(30.8,45.1) 31.1,44.8 31.6,44.8 48,44.8 48,41.75 U2.4@46.5,41.75
  Bottom Copper w0.2: CN5.16@30.78,7.54 30.78,45.1 v1(30.8,45.1)
RS232_RX: CN9.3 U3.13 | length 7.1
  Top Copper w0.3: U3.13@105.05,24.575 109.344,24.575 109.419,24.5 v1(109.5,24.5)
  Bottom Copper w0.3: v1(109.5,24.5) 109.557,24.557 110.057,24.557 CN9.3@111.5,26
RS232_TX: CN9.2 U3.14 | length 7.2
  Top Copper w0.3: U3.14@105.05,25.225 109.775,25.225 CN9.2@111.5,23.5
USB_D+: C25.2 R29.2 U5.4 | length 6.7
  Top Copper w0.2: U5.4@103.65,64 v1(107.3,64) 107.408,64 107.658,64.25 R29.2@108.6,64.25 R29.2@108.6,64
  Bottom Copper w0.2: v1(107.3,64) 107.408,64 107.658,64.25 C25.2@108.575,64.25
USB_D-: C26.2 R30.2 U5.5 | length 7
  Top Copper w0.2: U5.5@103.65,64.5 105.6,64.5 v1(107.3,66.2) 108.55,66.2 R30.2@108.6,66.25
  Bottom Copper w0.2: v1(107.3,66.2) 108.525,66.2 C26.2@108.575,66.25
VBUS: C23.2 CN10.A4 CN10.B4 LED6.4 U5.8 | length 38.7
  Top Copper w0.2: U5.8@102.75,66.4 102.75,67.45 103.022,67.722 v1(105.662,67.722)
  Top Copper w0.3: v1(105.6,63.2) v1(107,63.2) ; v1(111,58.5) 111,56.85 LED6.4@112.2,56.85 ; CN10.A4@112.4,62.85 112.55,63 113.2,63 113.3,63.1 113.824,63.1 v1(114,63.276) 114,67.2 113.869,67.331 113.504,67.331 113.335,67.5 112.55,67.5 CN10.B4@112.4,67.65
  Bottom Copper w0.2: v1(105.6,63.2) 105.65,63.25 v1@105.65,67.71
  Bottom Copper w0.3: C23.2@104.5,63.5 C23.2@104.25,63.75 105.05,63.75 v1(105.6,63.2) ; v1@105.65,67.71 v1(105.662,67.722) ; v1(107,63.2) 107.038,63.238 113.962,63.238 v1(114,63.276) 114.8,63.276 114.8,58.5 v1(111,58.5)
pads on no net: CN10.0 CN10.A8 CN10.B8 H1.1 H2.1 H3.1 H4.1 LED1.1 LED1.2 LED2.2 LED2.3 LED3.1 LED3.2 LED4.1 LED4.3 LED5.1 LED5.3 LED6.1 LED6.2 LED12.1 LED12.3 LED13.1 LED13.3 LED14.1 LED14.3 LED15.1 LED15.3 LED16.1 LED16.3 LED17.1 LED17.3 LED18.1 LED18.3 R10.2 SW1.3 SW1.4 SW1.5 SW1.6 U2.6 U2.54 U3.7 U3.8 U3.9 U3.10 U4.5 U5.1 U5.2 U5.10 U5.11 U5.12 U5.13 U5.14 U5.15 U5.16 U5.17 U5.18 U5.19 U5.20 U5.21 U5.22 U5.23 U5.24 U5.27 U5.28 U6.4 U6.12 U6.13 U6.23 U6.28 U6.29

## Polygon pours and split planes (outlines as drawn)
DGND on Signal Layer 1 "DGND-L1" (solid, remove dead copper, pour order 14): 31,79 31,59 36,59 36,47 10,47 10,26 1,26 1,8 8,8 8,1 112,1 112,8 119,8 119,72 112,72 112,79
GNDPWR on Signal Layer 1 "GNDPWR-L1" (solid, remove dead copper, pour order 10): 9,47.5 9.5,48 34.5,48 35,48.5 35,57.5 34.5,58 30.5,58 30,58.5 30,78.5 29.5,79 9.5,79 9,78.5 9,71.5 8.5,71 1.5,71 1,70.5 1,27.5 1.5,27 8.5,27 9,27.5
DGND on Top Copper "DGND_TOP" (solid, remove dead copper, pour order 17): 31,79 31,59 36,59 36,47 10,47 10,26 1,26 1,8 8,8 8,1 112,1 112,8 119,8 119,72 112,72 112,79
GNDPWR on Top Copper "GNDPWR_TOP" (solid, remove dead copper, pour order 11): 9,47.5 9.5,48 34.5,48 35,48.5 35,57.5 34.5,58 30.5,58 30,58.5 30,78.5 29.5,79 9.5,79 9,78.5 9,71.5 8.5,71 1.5,71 1,70.5 1,27.5 1.5,27 8.5,27 9,27.5
DP3.3VS on Top Copper "DP3.3VS-TOP" (solid, remove dead copper, pour order 15): 31.5,62.75 33.5,62.75 33.5,64.5 37.5,64.5 37.5,57.25 31.5,57.25
DGND on Bottom Copper "DGND_BOT" (solid, remove dead copper, pour order 16): 31,79 31,59 36,59 36,47 10,47 10,26 1,26 1,8 8,8 8,1 112,1 112,8 119,8 119,72 112,72 112,79
GNDPWR on Bottom Copper "GNDPWR_BOT" (solid, remove dead copper, pour order 12): 9,47.5 9.5,48 34.5,48 35,48.5 35,57.5 34.5,58 30.5,58 30,58.5 30,78.5 29.5,79 9.5,79 9,78.5 9,71.5 8.5,71 1.5,71 1,70.5 1,27.5 1.5,27 8.5,27 9,27.5
DP3.3VS on Signal Layer 2 "DP3.3VS-L2" (solid, remove dead copper, pour order 13): 31,79 31,59 36,59 36,47 10,47 10,26 1,26 1,8 8,8 8,1 112,1 112,8 119,8 119,72 112,72 112,79

## Keep-outs
Keep-Out Layer:
  the board outline again, w0.254

## Silkscreen, mask and mechanical layers (free items; w line width, h text height)
Top Overlay:
  drawing of 15 lines, arcs and shapes, not listed
  text "ST-Link" at 85.6,69.75 h1.52
  text "+5V INPUT" at 9.75,69 h1.52
  text "FUSE" at 36.239,68.75 h1.52
  text "DP5VS" at 50.5,68.75 h1.52
  text "BOOT" at 98.7,68.018 h1.52
  text "P24VS" at 9.75,65.75 h1.52
  text "DP3.3VS" at 50.5,63.75 h1.52
  text "P12VS" at 9.75,63.25 h1.52
  text "POWER INPUT" at 0.6,63 h1.52 r270
  text "LD1" at 72.25,61.25 h1.52
  text "LD2" at 77.25,61.25 h1.52
  text "LD3" at 82.25,61.25 h1.52
  text "LD4" at 87.25,61.25 h1.52
  text "LD5" at 92.25,61.25 h1.52
  text "P5VS" at 9.75,60.75 h1.52
  text "P3.3VS" at 9.75,58.25 h1.52
  text "USB" at 115.5,56.5 h1.52
  text "GND" at 9.75,55.75 h1.52
  text "TX" at 115.5,54.4 h1.52
  text "GND" at 9.75,53.25 h1.52
  text "RX" at 115.5,52.25 h1.52
  text "N12VS" at 9.75,50.75 h1.52
  text "CAN" at 108.786,49.75 h1.52
  text "GND" at 9.75,48.25 h1.52
  text "GND" at 114.25,46 h1.52
  text "CANL" at 114.25,43.5 h1.52
  text "POWER OUTPUT" at 0.6,41.237 h1.52 r270
  text "CANH" at 114.25,41 h1.52
  text "P24VS" at 9.75,40.75 h1.52
  text "P5VS" at 114.25,38.5 h1.52
  text "P12VS" at 9.75,38.25 h1.52
  text "P5VS" at 9.75,35.75 h1.52
  text "120R" at 103.85,34 h1.52
  text "P3.3VS" at 9.75,33.25 h1.52
  text "RS232" at 108.588,31.5 h1.52
  text "N12VS" at 9.75,30.75 h1.52
  text "GND" at 9.75,28.25 h1.52
  text "GND" at 114.25,27.75 h1.52
  text "RX" at 114.25,25.25 h1.52
  text "TX" at 114.25,22.75 h1.52
  text "P5VS" at 114.25,20.25 h1.52
  text "STM32F103RCT6 Dev B'd (Rev 2.0)" at 17.492,19.502 h4
  text "TX" at 115.5,15.75 h1.52
  text "Designed by Ganghyeok Lim" at 38.75,15.567 h3
  text "RESET" at 3.75,14.25 h1.52
  text "RX" at 115.5,13.35 h1.52
  text "PC1" at 13.75,9.207 h1.25 r90
  text "PC3" at 16.29,9.207 h1.25 r90
  text "PC5" at 18.83,9.207 h1.25 r90
  text "PC7" at 21.37,9.207 h1.25 r90
  text "PC9" at 23.91,9.207 h1.25 r90
  text "PC11" at 26.45,9.207 h1.25 r90
  text "PC13" at 28.99,9.207 h1.25 r90
  text "PC15" at 31.53,9.207 h1.25 r90
  text "PA1" at 35.75,9.207 h1.25 r90
  text "PA3" at 38.29,9.207 h1.25 r90
  text "PA5" at 40.83,9.207 h1.25 r90
  text "PA7" at 43.37,9.207 h1.25 r90
  text "PA9" at 45.91,9.207 h1.25 r90
  text "PA11" at 48.45,9.207 h1.25 r90
  text "+3.3V" at 50.99,9.207 h1.25 r90
  text "PA15" at 53.53,9.207 h1.25 r90
  text "PB1" at 57.75,9.207 h1.25 r90
  text "GND" at 60.29,9.207 h1.25 r90
  text "PB5" at 62.83,9.207 h1.25 r90
  text "PB7" at 65.37,9.207 h1.25 r90
  text "PB9" at 67.91,9.207 h1.25 r90
  text "PB11" at 70.45,9.207 h1.25 r90
  text "PB13" at 72.99,9.207 h1.25 r90
  text "PB15" at 75.53,9.207 h1.25 r90
  text "SWITCH1" at 84.848,1.75 h1.25
  text "SWITCH2" at 100.885,1.75 h1.25
  text "PC0" at 13.75,0.273 h1.25 r90
  text "PC2" at 16.29,0.273 h1.25 r90
  text "PC4" at 18.83,0.273 h1.25 r90
  text "PC6" at 21.37,0.273 h1.25 r90
  text "PC8" at 23.91,0.273 h1.25 r90
  text "PC10" at 26.5,0.273 h1.25 r90
  text "PC12" at 28.99,0.273 h1.25 r90
  text "PC14" at 31.53,0.273 h1.25 r90
  text "PA0" at 35.75,0.273 h1.25 r90
  text "PA2" at 38.29,0.273 h1.25 r90
  text "PA4" at 40.83,0.273 h1.25 r90
  text "PA6" at 43.37,0.273 h1.25 r90
  text "PA8" at 45.91,0.273 h1.25 r90
  text "PA10" at 48.45,0.273 h1.25 r90
  text "PA12" at 50.99,0.273 h1.25 r90
  text "GND" at 53.53,0.273 h1.25 r90
  text "PB0" at 57.75,0.273 h1.25 r90
  text "PB2" at 60.29,0.273 h1.25 r90
  text "PB4" at 62.83,0.273 h1.25 r90
  text "PB6" at 65.37,0.273 h1.25 r90
  text "PB8" at 67.91,0.273 h1.25 r90
  text "PB10" at 70.45,0.273 h1.25 r90
  text "PB12" at 72.99,0.273 h1.25 r90
  text "PB14" at 75.53,0.273 h1.25 r90
Bottom Overlay:
  drawing of 19 lines, arcs and shapes, not listed